# Altium PCB PCB_v2.PcbDoc (part 6 of 8)
Units mil, origin at the board's own origin, x right, y up, seen from the top; angles counter-clockwise.
Board outline 17000 x 5250 mil, 4 copper layers (Top Side, Ground Layer, Power Layer, Bottom Side), stack 33.2 mil thick; 671 components, 580 nets, 2819 pads, 990 vias.
Unrouted connection lines stored in the file: 104.
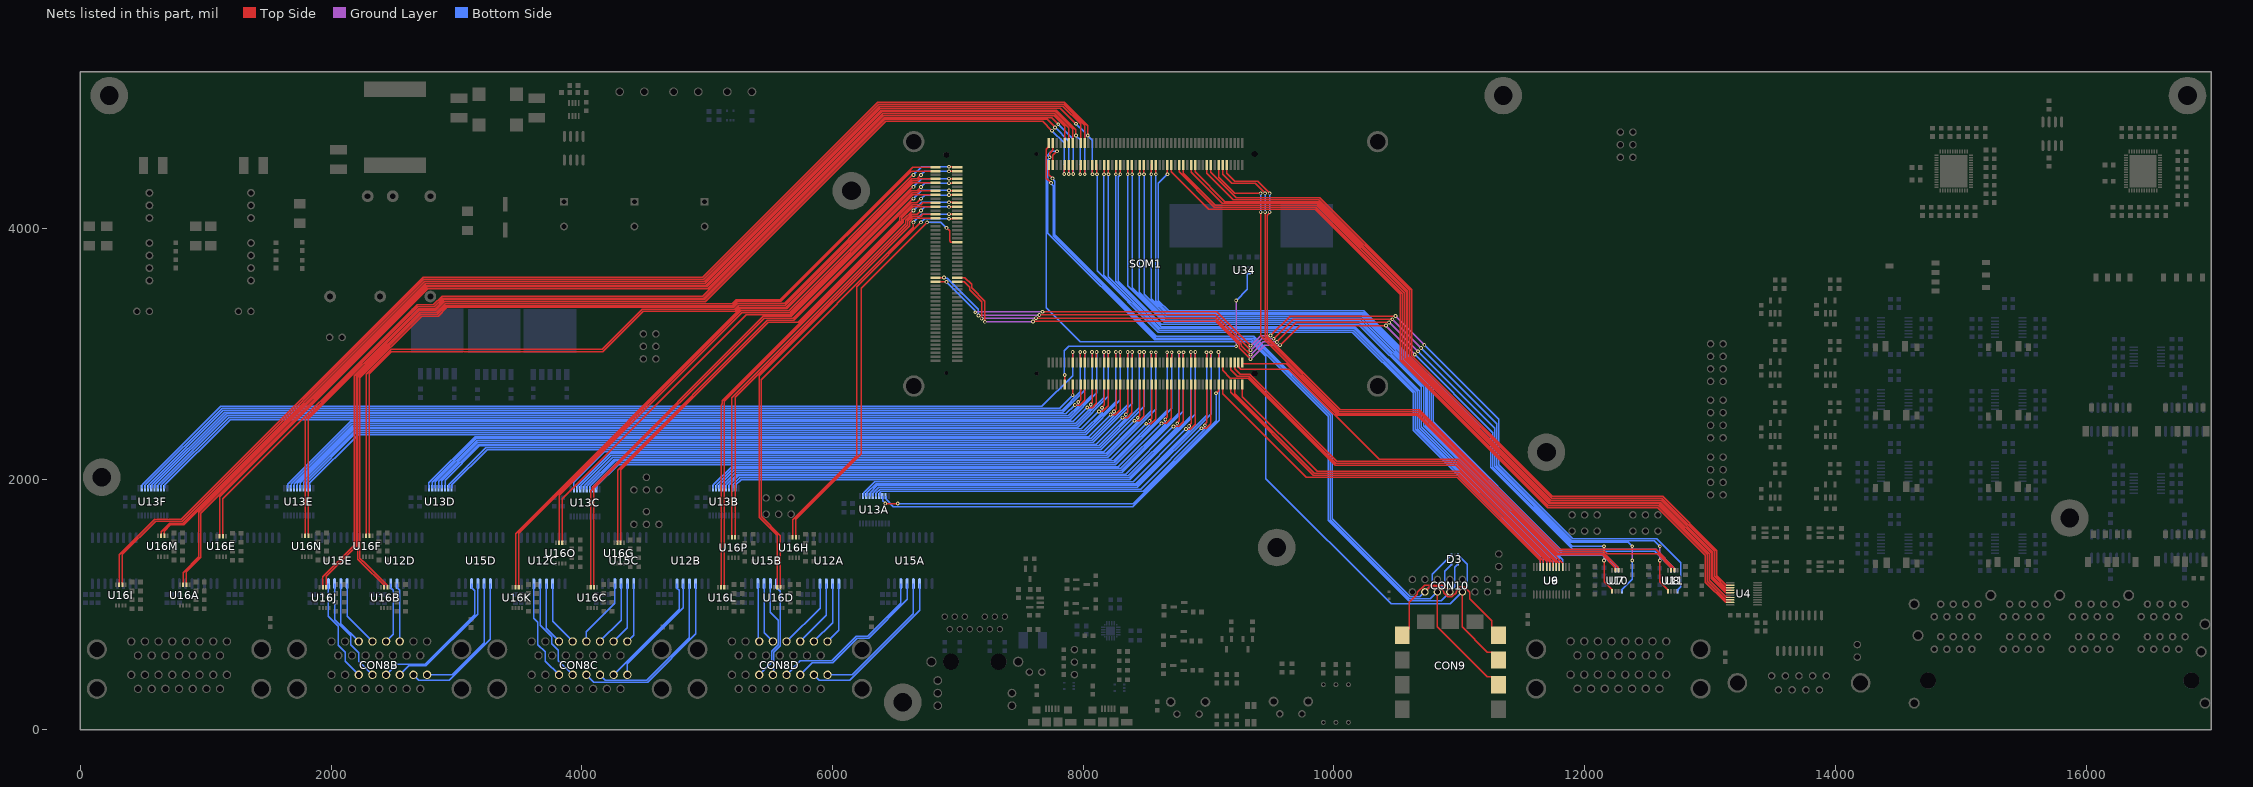
[diagram p8: the nets of this part, all layers, seen from the top]

## Via types
v1: diameter 30, hole 15, Top Side to Bottom Side, 922 vias
v2: diameter 25, hole 15, Top Side to Bottom Side, 30 vias
v3: diameter 60, hole 30, Top Side to Bottom Side, 29 vias
v4: diameter 50, hole 28, Top Side to Bottom Side, 7 vias
v5: diameter 40, hole 20, Top Side to Bottom Side, 2 vias

## Nets (pads, with @x,y where several pads share a name; then routed paths per layer and width w, separated by ;. In a path a pad name is that pad's centre, name@x,y a point inside that pad or via, vN(x,y) a via of type N, cw(c..) or ccw(c..) an arc to the next point about the centre after c; other vN are vias at no path point) (continued)
INV3_PWM3: CON8B.3A U12D.13 | length 469.3
  Bottom Side w10: U12D.13@2525.38,1165.16 2525.38,1133.66 2547.33,1111.71 CON8B.3A@2547.33,705
INV3_PWM4: CON8B.4A U12D.14 | length 491.8
  Bottom Side w10: CON8B.4A@2438.33,705 2495,761.67 2495,1114.04 2475.38,1133.66 U12D.14@2475.38,1165.16
INV3_PWM5: CON8B.5A U15E.11 | length 545.2
  Bottom Side w10: U15E.11@2127.7,1166.69 2127.7,906.63 CON8B.5A@2329.33,705
INV3_PWM6: CON8B.6A U15E.12 | length 520.8
  Bottom Side w10: U15E.12@2077.7,1166.69 2077.7,847.63 CON8B.6A@2220.33,705
INV4_PWM1: CON8B.1B U15D.12 | length 1032.6
  Bottom Side w10: CON8B.1B@2765.33,439 2964.11,439 3220.38,695.27 U15D.12@3220.38,1166.69
INV4_PWM2: CON8B.2B U15D.11 | length 1210.8
  Bottom Side w10: CON8B.2B@2656.33,439 2699.83,395.5 2941.83,395.5 3270.38,724.05 U15D.11@3270.38,1166.69
INV4_PWM3: CON8B.3B U15D.13 | length 1066.7
  Bottom Side w10: CON8B.3B@2547.33,439 2618.33,510 2756.57,510 3170.38,923.81 U15D.13@3170.38,1166.69
INV4_PWM4: CON8B.4B U15D.14 | length 1163
  Bottom Side w10: CON8B.4B@2438.33,439 2524.33,525 2750.36,525 3145,919.64 3145,1110.57 3120.38,1135.2 U15D.14@3120.38,1166.69
INV4_PWM5: CON8B.5B U15E.13 | length 852.6
  Bottom Side w10: U15E.13@2027.7,1166.69 2027.7,876.42 2154.83,749.29 2154.83,680.17 2220,615 2220,548.33 CON8B.5B@2329.33,439
INV4_PWM6: CON8B.6B U15E.14 | length 828.2
  Bottom Side w10: U15E.14@1977.7,1166.69 1977.7,905.21 2056.83,826.07 2056.83,673.17 2111.33,618.67 2111.33,548 CON8B.6B@2220.33,439
INV5_PWM1: CON8C.1A U15C.11 | length 482.9
  Bottom Side w10: CON8C.1A@4362.67,705 4413.84,756.18 U15C.11@4413.84,1166.69
INV5_PWM2: CON8C.2A U15C.12 | length 507.3
  Bottom Side w10: CON8C.2A@4253.67,705 4363.84,815.18 U15C.12@4363.84,1166.69
INV5_PWM3: CON8C.3A U15C.13 | length 531.8
  Bottom Side w10: CON8C.3A@4144.67,705 4313.84,874.18 U15C.13@4313.84,1166.69
INV5_PWM4: CON8C.4A U15C.14 | length 556.2
  Bottom Side w10: CON8C.4A@4035.67,705 4035.67,783.12 4263.84,1011.29 U15C.14@4263.84,1166.69
INV5_PWM5: CON8C.5A U12C.11 | length 526.3
  Bottom Side w10: U12C.11@3766.91,1165.16 3766.91,864.75 CON8C.5A@3926.67,705
INV5_PWM6: CON8C.6A U12C.12 | length 504.2
  Bottom Side w10: U12C.12@3716.91,1165.16 3716.91,1129.98 3714.09,1127.16 3714.09,808.57 CON8C.6A@3817.67,705
INV6_PWM1: CON8C.1B U12B.13 | length 910.8
  Bottom Side w10: CON8C.1B@4362.67,439 4362.67,526.79 4808.45,972.57 U12B.13@4808.45,1165.16
INV6_PWM2: CON8C.2B U12B.14 | length 949.9
  Bottom Side w10: CON8C.2B@4253.67,439 4776.17,961.5 4776.17,1113.46 4758.45,1131.18 U12B.14@4758.45,1165.16
INV6_PWM3: CON8C.3B U12B.12 | length 1302
  Bottom Side w10: CON8C.3B@4144.67,439 4188.17,395.5 4517.95,395.5 4858.45,736 U12B.12@4858.45,1165.16
INV6_PWM4: CON8C.4B U12B.11 | length 1456.6
  Bottom Side w10: CON8C.4B@4035.67,439 4094.17,380.5 4524.16,380.5 4908.45,764.79 U12B.11@4908.45,1165.16
INV6_PWM5: CON8C.5B U12C.13 | length 833.8
  Bottom Side w10: U12C.13@3666.91,1165.16 3666.91,834.54 3760,741.45 3760,686.67 3813,633.67 3813,552.67 CON8C.5B@3926.67,439
INV6_PWM6: CON8C.6B U12C.14 | length 810.5
  Bottom Side w10: U12C.14@3616.91,1165.16 3615.53,1163.78 3615.53,891.96 3650,857.5 3650,680 3708.67,621.33 3708.67,548 CON8C.6B@3817.67,439
INV7_PWM1: CON8D.1A U12A.11 | length 497.4
  Bottom Side w10: CON8D.1A@5960,705 6049.98,794.98 U12A.11@6049.98,1165.16
INV7_PWM2: CON8D.2A U12A.12 | length 521.9
  Bottom Side w10: CON8D.2A@5851,705 5999.98,853.98 U12A.12@5999.98,1165.16
INV7_PWM3: CON8D.3A U12A.13 | length 546.3
  Bottom Side w10: CON8D.3A@5742,705 5949.98,912.98 U12A.13@5949.98,1165.16
INV7_PWM4: CON8D.4A U12A.14 | length 570.7
  Bottom Side w10: CON8D.4A@5633,705 5899.98,971.98 U12A.14@5899.98,1165.16
INV7_PWM5: CON8D.5A U15B.13 | length 490.9
  Bottom Side w10: U15B.13@5453.45,1166.69 5453.45,775.55 CON8D.5A@5524,705
INV7_PWM6: CON8D.6A U15B.14 | length 466.5
  Bottom Side w10: U15B.14@5403.45,1166.69 5406.06,1164.09 5406.06,713.94 CON8D.6A@5415,705
INV8_PWM1: CON8D.1B U15A.12 | length 1127.9
  Bottom Side w10: CON8D.1B@5960,439 6158.78,439 6644.98,925.2 U15A.12@6644.98,1166.69
INV8_PWM2: CON8D.2B U15A.11 | length 1306
  Bottom Side w10: CON8D.2B@5851,439 5894.5,395.5 6136.49,395.5 6694.98,953.99 U15A.11@6694.98,1166.69
INV8_PWM3: CON8D.3B U15A.13 | length 1228.6
  Bottom Side w10: CON8D.3B@5742,439 5837.5,534.5 5999.72,534.5 6197.22,732 6286.91,732 6594.98,1040.08 U15A.13@6594.98,1166.69
INV8_PWM4: CON8D.4B U15A.14 | length 1304.4
  Bottom Side w10: CON8D.4B@5633,439 5743.5,549.5 5993.51,549.5 6191.01,747 6280.69,747 6544.98,1011.29 U15A.14@6544.98,1166.69
INV8_PWM5: CON8D.5B U15B.11 | length 764
  Bottom Side w10: CON8D.5B@5524,439 5530,445 5530,617.72 5582.5,670.22 5582.5,1106.15 5553.45,1135.2 U15B.11@5553.45,1166.69
INV8_PWM6: CON8D.6B U15B.12 | length 817.4
  Bottom Side w10: CON8D.6B@5415,439 5515,539 5515,627.15 5567.5,679.65 5567.5,873.03 5503.45,937.08 U15B.12@5503.45,1166.69
JTAG_TCK: CON9.2 CON10.6 D3.5 SOM1.JX1-1 | length 6775.5
  Top Side w10: SOM1.JX1-1@7726.65,4680 7726.65,4650 7706.65,4630 7706.65,4400.35 v1(7743,4364) ; CON10.6@10825,1100 10825,823.73 11224.83,423.9 11258.66,423.9 11312.72,369.84 CON9.2@11312.72,360
  Bottom Side w10: v1(7743,4364) 7743,4358.59 7759.65,4341.94 7759.65,3942.81 8576.83,3125.63 9354.91,3125.63 9969.78,2510.76 9969.78,1677.44 10602.22,1045 10770,1045 10885,1160 10885,1267.04 10938.59,1320.63 D3.5@10938.59,1322.6
JTAG_TDI: CON9.3 CON10.10 D3.3 SOM1.JX1-4 | length 7372.2
  Top Side w10: SOM1.JX1-4@7758.15,4506.77 7758.15,4583.15 v1(7790,4615) ; CON10.10@11025,1100 11025,820.58 11224.83,620.75 11258.66,620.75 11312.72,566.69 CON9.3@11312.72,556.85
  Bottom Side w10: v1(7790,4615) 7744.02,4615 7703,4573.98 7703,3365.95 7974.32,3094.63 9340.73,3094.63 9456.43,2978.93 9456.43,2003.52 10455.95,1004 10929,1004 11065,1140 11065,1320.2 10989.77,1395.43 D3.3@10989.77,1397.4
JTAG_TDO: CON9.8 CON10.8 D3.4 SOM1.JX1-3 | length 6619.9
  Top Side w10: v1(7732.15,4567.77) 7732.15,4598.59 7758.15,4624.59 SOM1.JX1-3@7758.15,4680 ; CON9.8@10545,753.7 10599.06,807.76 10599.06,1017.49 10665,1083.43 10665,1096.57 10723.43,1155 10870,1155 CON10.8@10925,1100
  Bottom Side w10: v1(7732.15,4567.77) 7732.15,4562.36 7718,4548.21 7718,3963.25 8570.62,3110.63 9345.94,3110.63 9954.78,2501.79 9954.78,1671.23 10596.01,1030 10855,1030 10965,1140 10965,1295.86 10989.77,1320.63 D3.4@10989.77,1322.6
JTAG_TMS: CON9.4 CON10.4 D3.1 SOM1.JX1-2 | length 6528.7
  Top Side w10: SOM1.JX1-2@7726.65,4506.77 7726.65,4428.35 v1(7755,4400) ; CON10.4@10725,1100 10765,1140 10841.57,1140 10875,1106.57 10875,1093.43 10908.43,1060 10941.57,1060 10975,1093.43 10975,1106.57 11008.43,1140 11041.57,1140 11085,1096.57 11085,1044.77 11258.66,871.11 11258.66,807.76 CON9.4@11312.72,753.7
  Bottom Side w10: v1(7755,4400) 7755,4396.86 7774.65,4377.22 7774.65,3949.03 8583.04,3140.63 9361.12,3140.63 9984.78,2516.97 9984.78,1683.65 10608.43,1060 10685,1060 10785,1160 10785,1241.84 10938.59,1395.43 D3.1@10938.59,1397.4
LV_ALARMA: SOM1.JX1-64 U4.19 | length 6368.9
  Top Side w10: SOM1.JX1-64@8703.03,4506.77 8703.03,4453.24 9001.27,4155 9849.39,4155 10530,3474.39 10530,2947.37 11705.37,1772 12584.57,1772 12963.7,1392.87 12963.7,1178.98 13125.99,1016.68 13160.4,1016.68 U4.19@13160.75,1016.34
LV_ALARMB: SOM1.JX1-70 U4.17 | length 6265.6
  Top Side w10: SOM1.JX1-70@8797.52,4506.77 8797.52,4440.33 9052.85,4185 9861.82,4185 10560,3486.82 10560,2959.79 11717.79,1802 12597,1802 12993.7,1405.29 12993.7,1191.4 13129.05,1056.06 13160.4,1056.06 U4.17@13160.75,1055.71
LV_ALARMD: SOM1.JX1-84 U4.12 | length 5992.2
  Top Side w10: SOM1.JX1-84@9017.99,4506.77 9017.99,4447.53 9220.51,4245 9886.67,4245 10620,3511.67 10620,2984.64 11742.64,1862 12621.85,1862 13053.7,1430.15 13053.7,1229.83 13129.05,1154.48 13160.4,1154.48 U4.12@13160.75,1154.13
LV_ALARMZ: SOM1.JX1-76 U4.14 | length 6131.5
  Top Side w10: SOM1.JX1-76@8892.01,4506.77 8892.87,4505.9 8892.87,4451.77 9129.64,4215 9874.24,4215 10590,3499.24 10590,2972.22 11730.22,1832 12609.42,1832 13023.7,1417.72 13023.7,1217.4 13125.99,1115.11 13160.4,1115.11 U4.14@13160.75,1114.76
LV_ENC_A: SOM1.JX1-68 U4.18 | length 6299.3
  Top Side w10: SOM1.JX1-68@8766.02,4506.77 8766.02,4450.61 9046.64,4170 9855.6,4170 10545,3480.6 10545,2953.58 11711.58,1787 12590.78,1787 12978.7,1399.08 12978.7,1185.19 13127.52,1036.37 13160.4,1036.37 U4.18@13160.75,1036.02
LV_ENC_B: SOM1.JX1-74 U4.15 | length 6174.2
  Top Side w10: SOM1.JX1-74@8860.51,4506.77 8860.51,4447.42 9107.92,4200 9868.03,4200 10575,3493.03 10575,2966.01 11724.01,1817 12603.21,1817 13008.7,1411.51 13008.7,1211.19 13124.47,1095.43 13160.4,1095.43 U4.15@13160.75,1095.08
LV_ENC_Z: SOM1.JX1-82 U4.13 | length 6035.1
  Top Side w10: SOM1.JX1-82@8986.49,4506.77 8986.49,4442.09 9198.58,4230 9880.45,4230 10605,3505.45 10605,2978.43 11736.43,1847 12615.63,1847 13038.7,1423.93 13038.7,1223.62 13127.52,1134.8 13160.4,1134.8 U4.13@13160.75,1134.45
LV_FLT_DESAT1: SOM1.JX1-13 U16A.2 | length 9070.4
  Top Side w10: U16A.2@844.41,1157.87 844.41,1259.39 960,1374.98 960,1728.33 2765.48,3533.81 4997.15,3533.81 6393.23,4929.89 7779.72,4929.89 7915.63,4793.98 SOM1.JX1-13@7915.63,4680
LV_FLT_DESAT2: SOM1.JX1-18 U16A.3 | length 9466.4
  Top Side w10: U16A.3@818.82,1157.87 818.82,1255.01 945,1381.19 945,1734.55 2759.27,3548.81 4990.94,3548.81 6387.01,4944.89 7785.93,4944.89 7941.63,4789.19 v1(7941.63,4741) ; v1(7976.37,4432.37) 7977.5,4433.5 7977.5,4505.65 SOM1.JX1-18@7978.62,4506.77
  Bottom Side w10: v1(7941.63,4741) 7976.37,4706.26 v1(7976.37,4432.37)
LV_FLT_DESAT3: SOM1.JX3-100 U16B.2 | length 7229.2
  Top Side w10: U16B.2@2448.65,1137.87 2448.65,1152.19 2255.41,1345.42 2250,1345.42 2228.23,1367.2 2228.23,2807.22 2722.38,3301.37 2853.58,3301.37 2922.22,3370 5211.72,3370 5244.72,3403 5616.94,3403 6640.49,4426.54 v1(6645,4426.54) ; v1(6930,4491.79) 6931.13,4490.66 6993.8,4490.66 SOM1.JX3-100@6994.92,4489.54
  Bottom Side w10: v1(6645,4426.54) 6710.24,4491.79 v1(6930,4491.79)
LV_FLT_DESAT4: SOM1.JX3-97 U16B.3 | length 7052.8
  Top Side w10: U16B.3@2423.06,1137.87 2423.06,1152.19 2245.25,1330 2244.21,1330 2213.23,1360.98 2213.23,2813.43 2716.16,3316.37 2847.37,3316.37 2916,3385 5205.5,3385 5238.5,3418 5588,3418 6628.04,4458.04 SOM1.JX3-97@6821.69,4458.04
LV_FLT_DESAT5: SOM1.JX3-88 U16C.2 | length 4671.6
  Top Side w10: U16C.2@4096.56,1137.87 4096.56,1925.47 5454.09,3283 5684.51,3283 6622.08,4220.58 6622.6,4220.58 6639.59,4237.57 v1(6645,4237.57) ; v1(6930,4302.81) 6931.13,4301.69 6993.8,4301.69 SOM1.JX3-88@6994.92,4300.56
  Bottom Side w10: v1(6645,4237.57) 6710.24,4302.81 v1(6930,4302.81)
LV_FLT_DESAT6: SOM1.JX3-85 U16C.3 | length 4506.5
  Top Side w10: U16C.3@4070.97,1137.87 4070.97,1906.07 4081.56,1916.66 4081.56,1931.69 5447.87,3298 5670.08,3298 6641.14,4269.07 SOM1.JX3-85@6821.69,4269.07
LV_FLT_DESAT7: SOM1.JX3-76 U16D.2 | length 3856
  Top Side w10: U16D.2@5584.41,1137.87 5584.41,1549.02 5429.83,1703.6 5429.83,2794.63 6645,4009.81 v1(6645,4048.59) ; v1(6930,4113.84) 6931.13,4112.71 6993.8,4112.71 SOM1.JX3-76@6994.92,4111.58
  Bottom Side w10: v1(6645,4048.59) 6710.24,4113.84 v1(6930,4113.84)
LV_FLT_DESAT8: SOM1.JX3-73 U16D.3 | length 3690.4
  Top Side w10: U16D.3@5558.82,1137.87 5558.82,1553.4 5414.83,1697.39 5414.83,2823.15 6615,4023.32 6615,4053.95 6641.14,4080.09 SOM1.JX3-73@6821.69,4080.09
LV_FLT_TEMP1: SOM1.JX1-20 U16M.2 | length 9267
  Top Side w10: U16M.2@669.41,1547.87 669.41,1586.27 718.14,1635 824.24,1635 2753.05,3563.81 4984.73,3563.81 6380.8,4959.89 7816.74,4959.89 v1(7941.63,4835) ; SOM1.JX1-20@8010.12,4506.77 8011.24,4505.65 8011.24,4433.5 v1(8012.37,4432.37)
  Bottom Side w10: v1(7941.63,4835) 8011.12,4765.51 8011.12,4433.62 v1(8012.37,4432.37)
LV_FLT_TEMP2: SOM1.JX1-17 U16M.3 | length 8986.2
  Top Side w10: U16M.3@643.82,1547.87 643.82,1581.89 711.93,1650 818.03,1650 2746.84,3578.81 4978.51,3578.81 6374.59,4974.89 7837.1,4974.89 7978.62,4833.36 SOM1.JX1-17@7978.62,4680
LV_FLT_TEMP3: SOM1.JX1-12 U16N.2 | length 8405
  Top Side w10: U16N.2@1818.29,1547.87 1818.29,2482.13 2697.52,3361.37 2828.73,3361.37 2897.36,3430 4978.19,3430 6418.08,4869.89 7711.03,4869.89 v1(7775.46,4805.46) v1@7782.96,4797.96 ; v1(7884.13,4435) SOM1.JX1-12@7884.13,4506.77
  Bottom Side w10: v1(7775.46,4805.46) 7884.13,4696.78 v1(7884.13,4435)
LV_FLT_TEMP4: SOM1.JX1-14 U16N.3 | length 8476.4
  Top Side w10: U16N.3@1792.7,1547.87 1792.7,2477.76 2691.31,3376.37 2822.52,3376.37 2891.15,3445 4971.98,3445 6411.87,4884.89 7746.94,4884.89 v1(7800.91,4830.91) ; SOM1.JX1-14@7915.63,4506.77 7917.88,4504.52 7917.88,4437.25 v1(7920.13,4435)
  Bottom Side w10: v1(7800.91,4830.91) 7920.13,4711.69 v1(7920.13,4435)
LV_FLT_TEMP5: SOM1.JX3-87 U16O.2 | length 4346.6
  Top Side w10: U16O.2@3843.43,1492.87 3843.43,1843.42 5313,3313 5663.86,3313 6635.93,4285.07 6681.28,4285.07 6696.78,4300.56 SOM1.JX3-87@6821.69,4300.56
LV_FLT_TEMP6: SOM1.JX3-92 U16O.3 | length 4587.1
  Top Side w10: U16O.3@3817.83,1492.87 3817.83,1870.05 5275.78,3328 5657.65,3328 6629.72,4300.07 6675.07,4300.07 v1(6705,4330) ; v1(6930,4361.3) 6931.13,4362.43 6993.8,4362.43 SOM1.JX3-92@6994.92,4363.55
  Bottom Side w10: v1(6705,4330) 6736.3,4361.3 v1(6930,4361.3)
LV_FLT_TEMP7: SOM1.JX3-75 U16P.2 | length 3336.3
  Top Side w10: U16P.2@5222.59,1537.43 5222.59,2652.12 6600,4029.53 6600,4060.16 6636.93,4097.09 6707.06,4097.09 6721.56,4111.59 SOM1.JX3-75@6821.69,4111.59
LV_FLT_TEMP8: SOM1.JX3-80 U16P.3 | length 3558.6
  Top Side w10: U16P.3@5197,1537.43 5197,2647.75 6585,4035.75 6585,4066.38 6630.71,4112.09 6674.01,4112.09 v1(6705,4143.08) ; v1(6930,4172.32) 6931.13,4173.45 6993.8,4173.45 SOM1.JX3-80@6994.92,4174.58
  Bottom Side w10: v1(6705,4143.08) 6734.24,4172.32 v1(6930,4172.32)
LV_GPIO_A1: SOM1.JX1-92 U8.2 | length 5659.1
  Top Side w10: SOM1.JX1-92@9143.97,4506.77 9143.97,4438.82 9207.8,4375 9392.3,4375 v1(9487.3,4280) ; v1(9487.3,4130) 9487.3,4124.91 9468.63,4106.24 9468.63,3134.72 10050.36,2553 10682.61,2553 11795.61,1440 12566.57,1440 12712.91,1293.66 12712.91,1276.15 U8.2@12716.18,1272.88
  Bottom Side w10: v1(9487.3,4130) v1(9487.3,4280)
LV_GPIO_A2: SOM1.JX1-90 U8.3 | length 5648.3
  Top Side w10: SOM1.JX1-90@9112.48,4506.77 9112.48,4430.55 9183.02,4360 9371.3,4360 v1(9451.3,4280) ; v1(9451.3,4130) 9451.3,3130.84 10044.14,2538 10676.4,2538 11789.4,1425 12157.78,1425 12179.76,1403.02 12582.33,1403.02 12687.32,1298.03 12687.32,1276.15 U8.3@12690.59,1272.88
  Bottom Side w10: v1(9451.3,4130) v1(9451.3,4280)
LV_GPIO_A3: SOM1.JX1-88 U7.2 | length 5261.6
  Top Side w10: SOM1.JX1-88@9080.98,4506.77 9080.98,4408.77 9209.75,4280 v1(9415.3,4280) ; v1(9415.3,4130) 9415.3,3145.63 10037.93,2523 10670.18,2523 11783.18,1410 12151.57,1410 12267.13,1294.44 12267.13,1276.15 U7.2@12270.39,1272.88
  Bottom Side w10: v1(9415.3,4130) v1(9415.3,4280)
LV_GPIO_A4: SOM1.JX2-99 U7.3 | length 3680.4
  Top Side w10: SOM1.JX2-99@9269.96,2930 9269.96,2920 9619.72,2920 10031.72,2508 10663.97,2508 11776.97,1395 12145.36,1395 12241.54,1298.82 12241.54,1276.15 U7.3@12244.8,1272.88
LV_GPIO_A5: SOM1.JX2-97 U6.3 | length 3296
  Top Side w10: SOM1.JX2-97@9238.46,2930 9238.46,2896.49 9257.58,2877.38 9641.12,2877.38 10361.42,2157.09 10993.67,2157.09 11823.66,1327.09 11823.66,1301.14 U6.3@11824.57,1300.24
LV_GPIO_A6: SOM1.JX2-95 U6.4 | length 3312.3
  Top Side w10: SOM1.JX2-95@9206.97,2930 9206.97,2881.26 9251.46,2836.77 9326.84,2836.77 10021.53,2142.09 10985.55,2142.09 11798.07,1329.56 11798.07,1301.14 U6.4@11798.98,1300.24
LV_GPIO_A7: SOM1.JX2-93 U6.5 | length 3324.7
  Top Side w10: SOM1.JX2-93@9175.47,2930 9175.47,2874.53 9228.23,2821.77 9320.63,2821.77 10015.31,2127.09 10979.33,2127.09 11772.48,1333.94 11772.48,1301.14 U6.5@11773.39,1300.24
LV_GPIO_A8: SOM1.JX2-89 U6.6 | length 3368.8
  Top Side w10: SOM1.JX2-89@9112.48,2930 9112.48,2867.52 9173.23,2806.77 9314.42,2806.77 10009.1,2112.09 10973.12,2112.09 11746.89,1338.32 11746.89,1301.14 U6.6@11747.8,1300.24
LV_GPIO_A9: SOM1.JX2-90 U6.10 | length 3212.6
  Top Side w10: SOM1.JX2-90@9112.48,2756.77 9112.48,2681.14 9777.63,2015.98 10984.37,2015.98 11645.43,1354.92 U6.10@11645.43,1300.24
LV_GPIO_A10: SOM1.JX2-94 U6.9 | length 3166.6
  Top Side w10: SOM1.JX2-94@9175.47,2756.77 9175.47,2691.42 9835.91,2030.98 10990.58,2030.98 11671.02,1350.54 U6.9@11671.02,1300.24
LV_GPIO_A11: SOM1.JX2-96 U6.8 | length 3164.2
  Top Side w10: SOM1.JX2-96@9206.97,2756.77 9206.97,2681.14 9842.12,2045.98 10996.8,2045.98 11696.05,1346.73 11696.05,1300.8 U6.8@11696.61,1300.24
LV_GPIO_A12: SOM1.JX2-100 U6.7 | length 3138.3
  Top Side w10: SOM1.JX2-100@9269.96,2756.77 9269.96,2657.16 9866.14,2060.98 11003.01,2060.98 11721.3,1342.7 11721.3,1301.14 U6.7@11722.2,1300.24
LV_GPIO_B1: SOM1.JX1-62 U11.3 | length 6269.7
  Top Side w10: v1(8671.54,4432.37) SOM1.JX1-62@8671.53,4506.77
  Bottom Side w10: v1(8671.54,4432.37) 8600,4360.84 8600,3424.64 8680.64,3344 10239,3344 11250,2333 11250,2093.58 11903.58,1440 12566.57,1440 12712.91,1293.66 12712.91,1276.14 U11.3@12716.18,1272.87
LV_GPIO_B2: SOM1.JX1-56 U11.2 | length 6283.2
  Top Side w10: SOM1.JX1-56@8577.05,4506.77 8578.17,4505.65 8578.17,4433.5 v1(8579.3,4432.37)
  Bottom Side w10: v1(8579.3,4432.37) 8579.3,3424.13 8674.43,3329 10232.79,3329 10791,2770.79 10791,2456 11823,1424 12561.36,1424 12687.32,1298.03 12687.32,1276.14 U11.2@12690.59,1272.87
LV_GPIO_B3: SOM1.JX1-54 U10.3 | length 5888.5
  Top Side w10: v1(8543.3,4432.37) 8544.42,4433.5 8544.42,4505.65 SOM1.JX1-54@8545.55,4506.77
  Bottom Side w10: v1(8543.3,4432.37) 8543.3,3438.92 8668.22,3314 10226.58,3314 10776,2764.58 10776,2449.78 11816.78,1409 12152.57,1409 12267.91,1293.66 12267.91,1276.14 U10.3@12271.18,1272.87
LV_GPIO_B4: SOM1.JX1-50 U10.2 | length 5902.2
  Top Side w10: SOM1.JX1-50@8482.56,4506.77 8483.68,4505.65 8483.68,4433.5 v1(8484.81,4432.37)
  Bottom Side w10: v1(8484.81,4432.37) 8484.81,3476.2 8662.01,3299 10220.36,3299 10761,2758.36 10761,2443.57 11810.57,1394 12146.36,1394 12242.32,1298.03 12242.32,1276.14 U10.2@12245.59,1272.87
LV_GPIO_B5: SOM1.JX1-48 U9.10 | length 5518.6
  Top Side w10: v1(8448.81,4432.37) 8449.94,4433.5 8449.94,4505.65 SOM1.JX1-48@8451.06,4506.77
  Bottom Side w10: v1(8448.81,4432.37) 8448.81,3490.98 8655.79,3284 10214.15,3284 10746,2752.15 10746,2437.36 11824.57,1358.79 U9.10@11824.57,1300.24
LV_GPIO_B6: SOM1.JX1-44 U9.9 | length 5532.2
  Top Side w10: SOM1.JX1-44@8388.07,4506.77 8389.2,4505.65 8389.2,4433.5 v1(8390.32,4432.37)
  Bottom Side w10: v1(8390.32,4432.37) 8390.32,3528.26 8649.58,3269 10207.94,3269 10731,2745.94 10731,2431.14 11798.98,1363.17 U9.9@11798.98,1300.24
LV_GPIO_B7: SOM1.JX1-42 U9.8 | length 5534.9
  Top Side w10: v1(8354.32,4432.37) 8355.45,4433.5 8355.45,4505.65 SOM1.JX1-42@8356.57,4506.77
  Bottom Side w10: v1(8354.32,4432.37) 8354.32,3543.04 8645.37,3252 10200.89,3252 10716,2736.89 10716,2424.93 11773.39,1367.54 U9.8@11773.39,1300.24
LV_GPIO_B8: SOM1.JX1-38 U9.7 | length 5571.4
  Top Side w10: SOM1.JX1-38@8293.58,4506.77 8294.71,4505.65 8294.71,4433.5 v1(8295.83,4432.37)
  Bottom Side w10: v1(8295.83,4432.37) 8295.83,4426.96 8280,4411.13 8280,3579.44 8622.44,3237 10194.68,3237 10695,2736.68 10695,2416.23 11747.8,1363.44 U9.7@11747.8,1300.24
LV_GPIO_B9: SOM1.JX1-26 U9.3 | length 5580.3
  Top Side w10: SOM1.JX1-26@8104.61,4506.77 8107.3,4504.07 8107.3,4435.07 v1(8110,4432.37)
  Bottom Side w10: v1(8110,4432.37) 8110,3661.76 8599.14,3172.61 10147.68,3172.61 10633,2687.3 10633,2390.55 11645.43,1378.12 U9.3@11645.43,1300.24
LV_GPIO_B10: SOM1.JX1-30 U9.4 | length 5566.7
  Top Side w10: v1(8165.35,4432.37) 8166.47,4433.5 8166.47,4505.65 SOM1.JX1-30@8167.6,4506.77
  Bottom Side w10: v1(8165.35,4432.37) 8165.35,3627.62 8605.36,3187.61 10153.9,3187.61 10648,2693.51 10648,2396.76 11671.02,1373.74 U9.4@11671.02,1300.24
LV_GPIO_B11: SOM1.JX1-32 U9.5 | length 5562.4
  Top Side w10: SOM1.JX1-32@8199.09,4506.77 8200.22,4505.65 8200.22,4433.5 v1(8201.35,4432.37)
  Bottom Side w10: v1(8201.35,4432.37) 8201.35,3612.84 8611.57,3202.61 10160.11,3202.61 10663,2699.72 10663,2402.98 11696.61,1369.36 U9.5@11696.61,1300.24
LV_GPIO_B12: SOM1.JX1-36 U9.6 | length 5547.1
  Top Side w10: v1(8259.83,4432.37) 8260.96,4433.5 8260.96,4505.65 SOM1.JX1-36@8262.09,4506.77
  Bottom Side w10: v1(8259.83,4432.37) 8259.83,3578.39 8620.61,3217.61 10166.32,3217.61 10680,2703.94 10680,2410.02 11722.2,1367.81 U9.6@11722.2,1300.24
LV_GPIO_DIR1: SOM1.JX3-43 U8.5 | length 7482.5
  Top Side w10: SOM1.JX3-43@6821.69,3607.65 6821.94,3607.9 6889.75,3607.9 v1(6890,3608.15) ; v1(7649.54,3309.54) 9054.46,3309.54 v1(9335,3029) ; v1(9519.09,3119.62) 9675.38,3275.91 v1(10465.91,3275.91) ; v1(12600,1350) 12600,1181.35 12665,1116.35 U8.5@12665,1107.12
  Ground Layer w10: v1(7164.09,3305.91) 7167.27,3309.09 7649.09,3309.09 v1(7649.54,3309.54) ; v1(9335,3029) 9425.62,3119.62 v1(9519.09,3119.62) ; v1(10465.91,3275.91) v1(10695.91,3045.91) ; v1(12600,1350) v1(12600,1465)
  Bottom Side w10: v1(6890,3608.15) 6893.83,3604.32 6913.25,3604.32 7164.09,3353.48 v1(7164.09,3305.91) ; v1(10695.91,3045.91) 11298.48,2443.34 11298.48,2108.74 11897.22,1510 12555,1510 v1(12600,1465)
LV_GPIO_DIR2: SOM1.JX3-44 U7.5 | length 6945.2
  Top Side w10: SOM1.JX3-44@6994.92,3607.65 7055.54,3607.65 7110,3553.18 7110,3525.22 7215,3420.22 v1(7215,3255) ; v1(7598.63,3258.63) 9056.72,3258.63 9245,3070.36 9245,3047 v1(9335,2957) ; v1(9570,3068.71) 9726.29,3225 v1(10415,3225) ; v1(12155,1350) 12155,1180.56 12219.21,1116.35 U7.5@12219.21,1107.12
  Ground Layer w10: v1(7215,3255) 7216.82,3256.82 7596.82,3256.82 v1(7598.63,3258.63) ; v1(9335,2957) 9446.71,3068.71 v1(9570,3068.71) ; v1(10415,3225) v1(10645,2995) ; v1(12155,1350) v1(12155,1465)
  Bottom Side w10: v1(10645,2995) 11268.48,2371.52 11268.48,2096.31 11899.79,1465 v1(12155,1465)
LV_GPIO_DIR3: SOM1.JX3-41 U11.5 | length 7530.2
  Top Side w10: SOM1.JX3-41@6821.69,3576.15 6822.82,3575.03 6907.18,3575.03 v1(6908.31,3573.9) ; v1(7675,3335) 9065,3335 v1(9335,3065) ; v1(9493.63,3145.08) 9649.92,3301.37 v1(10491.37,3301.37)
  Ground Layer w10: v1(7138.63,3331.37) 7141.81,3334.54 7674.54,3334.54 v1(7675,3335) ; v1(9335,3065) 9415.08,3145.08 v1(9493.63,3145.08) ; v1(10491.37,3301.37) v1(10721.37,3071.37)
  Bottom Side w10: v1(6908.31,3573.9) 7134.81,3347.4 7134.81,3335.19 v1(7138.63,3331.37) ; v1(10721.37,3071.37) 11314.31,2478.42 11314.31,2114.12 11903.43,1525 12575.36,1525 12766.77,1333.58 12766.77,1141.34 12741.77,1116.34 U11.5@12741.77,1107.11
LV_GPIO_DIR4: SOM1.JX3-42 U10.5 | length 7143.3
  Top Side w10: SOM1.JX3-42@6994.92,3576.15 7049.98,3576.15 7093.72,3532.42 7093.72,3510 7189.54,3414.18 v1(7189.54,3280.46) ; v1(7624.09,3284.09) 9052.48,3284.09 9262.15,3074.41 9262.15,3065.85 v1(9335,2993) ; v1(9544.54,3094.17) 9700.83,3250.46 v1(10440.46,3250.46)
  Ground Layer w10: v1(7189.54,3280.46) 7192.72,3283.63 7623.63,3283.63 v1(7624.09,3284.09) ; v1(9335,2993) 9436.17,3094.17 v1(9544.54,3094.17) ; v1(10440.46,3250.46) v1(10670.46,3020.46) ; v1(12380,1350) v1(12380,1465)
  Bottom Side w10: v1(10670.46,3020.46) 11283.48,2407.43 11283.48,2102.53 11891.01,1495 12350,1495 v1(12380,1465) ; U10.5@12296.77,1107.11 12296.77,1116.34 12380,1199.57 v1(12380,1350)
LV_INV1_PWM1: SOM1.JX2-25 U13F.9 | length 8180.6
  Top Side w10: SOM1.JX2-25@8104.61,2930 8105.73,2931.13 8105.73,3013.87 v1(8106.86,3015)
  Bottom Side w10: U13F.9@667.44,1927.6 671.3,1931.46 671.3,1953.47 1192.93,2475.1 7894.68,2475.1 8106.86,2687.28 v1(8106.86,3015)
LV_INV1_PWM2: SOM1.JX2-23 U13F.8 | length 8178.9
  Top Side w10: v1(8070.86,3015) 8071.98,3013.87 8071.98,2931.13 SOM1.JX2-23@8073.11,2930
  Bottom Side w10: U13F.8@641.85,1927.6 645.71,1931.46 645.71,1953.47 1182.34,2490.1 7888.47,2490.1 8070.86,2672.49 v1(8070.86,3015)
LV_INV1_PWM3: SOM1.JX2-18 U13F.7 | length 7809.7
  Top Side w10: v1(7960,2615) 7978.62,2633.62 SOM1.JX2-18@7978.62,2756.77
  Bottom Side w10: U13F.7@616.26,1927.6 620.12,1931.46 620.12,1953.47 1171.75,2505.1 7882.25,2505.1 7960,2582.85 v1(7960,2615)
LV_INV1_PWM4: SOM1.JX2-20 U13F.6 | length 7851.1
  Top Side w10: v1(7932.94,2591.15) 7934.09,2590 7970.36,2590 8010.12,2629.76 SOM1.JX2-20@8010.12,2756.77
  Bottom Side w10: U13F.6@590.67,1927.6 594.53,1931.46 594.53,1953.47 1161.16,2520.1 7861.9,2520.1 v1(7932.94,2591.15)
LV_INV1_PWM5: SOM1.JX2-19 U13F.5 | length 8175.1
  Top Side w10: SOM1.JX2-19@8010.12,2930 8011.24,2931.13 8011.24,3013.87 v1(8012.37,3015)
  Bottom Side w10: U13F.5@565.08,1927.6 568.94,1931.46 568.94,1953.47 1150.57,2535.1 7837.3,2535.1 8012.37,2710.17 v1(8012.37,3015)
LV_INV1_PWM6: SOM1.JX2-17 U13F.4 | length 8173.4
  Top Side w10: v1(7976.37,3015) 7977.5,3013.87 7977.5,2931.13 SOM1.JX2-17@7978.62,2930
  Bottom Side w10: U13F.4@539.49,1927.6 543.35,1931.46 543.35,1953.47 1139.98,2550.1 7831.09,2550.1 7976.37,2695.39 v1(7976.37,3015)
LV_INV2_PWM1: SOM1.JX2-24 U13E.3 | length 6863.3
  Top Side w10: v1(8060,2595) 8060,2600.41 8073.11,2613.52 SOM1.JX2-24@8073.11,2756.77
  Bottom Side w10: U13E.3@1677.13,1927.6 1680.98,1931.46 1680.98,1963.24 2162.85,2445.1 7941.05,2445.1 8060,2564.06 v1(8060,2595)
LV_INV2_PWM2: SOM1.JX2-26 U13E.2 | length 6903.4
  Top Side w10: v1(8032.34,2571.75) 8034.09,2570 8070.36,2570 8104.61,2604.25 SOM1.JX2-26@8104.61,2756.77
  Bottom Side w10: U13E.2@1651.54,1927.6 1655.39,1931.46 1655.39,1958.86 2156.64,2460.1 7920.69,2460.1 v1(8032.34,2571.75)
LV_INV2_PWM3: SOM1.JX2-29 U13E.4 | length 7233.6
  Top Side w10: v1(8165.35,3015) 8166.47,3013.87 8166.47,2931.13 SOM1.JX2-29@8167.6,2930
  Bottom Side w10: U13E.4@1702.72,1927.6 1706.57,1931.46 1706.57,1965.1 2171.57,2430.1 7947.26,2430.1 8165.35,2648.19 v1(8165.35,3015)
LV_INV2_PWM4: SOM1.JX2-31 U13E.5 | length 7238.7
  Top Side w10: SOM1.JX2-31@8199.09,2930 8200.22,2931.13 8200.22,3013.87 v1(8201.35,3015)
  Bottom Side w10: U13E.5@1728.31,1927.6 1729.89,1929.18 1729.89,1967.2 2177.79,2415.1 7954.89,2415.1 8201.35,2661.56 v1(8201.35,3015)
LV_INV2_PWM5: SOM1.JX2-14 U13F.3 | length 7808.9
  Top Side w10: v1(7915.63,2670) SOM1.JX2-14@7915.63,2756.77
  Bottom Side w10: U13F.3@513.9,1927.6 517.76,1931.46 517.76,1953.47 1129.39,2565.1 7810.73,2565.1 v1(7915.63,2670)
LV_INV2_PWM6: SOM1.JX2-13 U13F.2 | length 8086.6
  Top Side w10: SOM1.JX2-13@7915.63,2930 v1(7915.63,3015)
  Bottom Side w10: U13F.2@488.31,1927.6 492.17,1931.46 492.17,1953.47 1118.79,2580.1 7670.1,2580.1 7915.63,2825.63 v1(7915.63,3015)
LV_INV3_PWM1: SOM1.JX2-43 U13D.5 | length 6340.8
  Top Side w10: SOM1.JX2-43@8388.07,2930 8389.2,2931.13 8389.2,3013.87 v1(8390.32,3015)
  Bottom Side w10: U13D.5@2857.13,1927.6 2857.13,1981.98 3170.25,2295.1 8079.06,2295.1 8390.32,2606.36 v1(8390.32,3015)
LV_INV3_PWM2: SOM1.JX2-41 U13D.4 | length 6335.1
  Top Side w10: v1(8354.32,3015) 8355.45,3013.87 8355.45,2931.13 SOM1.JX2-41@8356.57,2930
  Bottom Side w10: U13D.4@2831.54,1927.6 2831.54,1977.6 3164.04,2310.1 8070.46,2310.1 8354.32,2593.96 v1(8354.32,3015)
LV_INV3_PWM3: SOM1.JX2-36 U13D.3 | length 5964.2
  Top Side w10: v1(8245,2540) 8245,2545.41 8262.09,2562.5 SOM1.JX2-36@8262.09,2756.77
  Bottom Side w10: U13D.3@2805.94,1927.6 2805.94,1974.82 3156.22,2325.1 8064.25,2325.1 8245,2505.85 v1(8245,2540)
LV_INV3_PWM4: SOM1.JX2-38 U13D.2 | length 6001.1
  Top Side w10: v1(8218.94,2515.15) 8219.09,2515 8255.36,2515 8293.58,2553.23 SOM1.JX2-38@8293.58,2756.77
  Bottom Side w10: U13D.2@2780.35,1927.6 2780.35,1970.45 3150.01,2340.1 8043.9,2340.1 v1(8218.94,2515.15)
LV_INV3_PWM5: SOM1.JX2-37 U13E.9 | length 7251.7
  Top Side w10: SOM1.JX2-37@8293.58,2930 8294.71,2931.13 8294.71,3013.87 v1(8295.83,3015)
  Bottom Side w10: U13E.9@1830.67,1927.6 1830.67,1971.29 2214.48,2355.1 8019.3,2355.1 8295.83,2631.64 v1(8295.83,3015)
LV_INV3_PWM6: SOM1.JX2-35 U13E.8 | length 7252.5
  Top Side w10: v1(8259.83,3015) 8260.96,3013.87 8260.96,2931.13 SOM1.JX2-35@8262.09,2930
  Bottom Side w10: U13E.8@1805.08,1927.6 1805.08,1977.09 2198.09,2370.1 8011.67,2370.1 8259.83,2618.27 v1(8259.83,3015)
LV_INV4_PWM1: SOM1.JX2-47 U13D.8 | length 6325.6
  Top Side w10: v1(8448.81,3015) 8449.94,3013.87 8449.94,2931.13 SOM1.JX2-47@8451.06,2930
  Bottom Side w10: U13D.8@2933.9,1927.6 2937.76,1931.46 2937.76,1953.47 3234.39,2250.1 8130.23,2250.1 8448.81,2568.68 v1(8448.81,3015)
LV_INV4_PWM2: SOM1.JX2-49 U13D.9 | length 6328.2
  Top Side w10: SOM1.JX2-49@8482.56,2930 8483.68,2931.13 8483.68,3013.87 v1(8484.81,3015)
  Bottom Side w10: U13D.9@2959.49,1927.6 2963.35,1931.46 2963.35,1953.47 3244.98,2235.1 8137.86,2235.1 8484.81,2582.06 v1(8484.81,3015)
LV_INV4_PWM3: SOM1.JX2-42 U13D.7 | length 5980.5
  Top Side w10: v1(8340,2515) 8340,2520.41 8356.57,2536.99 SOM1.JX2-42@8356.57,2756.77
  Bottom Side w10: U13D.7@2908.31,1927.6 2908.31,1990.73 3182.68,2265.1 8124.02,2265.1 8340,2481.09 v1(8340,2515)
LV_INV4_PWM4: SOM1.JX2-44 U13D.6 | length 6017.6
  Top Side w10: v1(8313.82,2490.26) 8314.09,2490 8350.36,2490 8388.07,2527.71 SOM1.JX2-44@8388.07,2756.77
  Bottom Side w10: U13D.6@2882.72,1927.6 2882.72,1986.36 3176.46,2280.1 8103.66,2280.1 v1(8313.82,2490.26)
LV_INV4_PWM5: SOM1.JX2-30 U13E.7 | length 6881.7
  Top Side w10: v1(8150,2570) 8150,2575.41 8167.6,2593.01 SOM1.JX2-30@8167.6,2756.77
  Bottom Side w10: U13E.7@1779.49,1927.6 1779.49,1974.38 2190.21,2385.1 8005.46,2385.1 8150,2529.64 v1(8150,2570)
LV_INV4_PWM6: SOM1.JX2-32 U13E.6 | length 6914.8
  Top Side w10: v1(8125,2540) 8155.36,2540 8199.09,2583.74 SOM1.JX2-32@8199.09,2756.77
  Bottom Side w10: U13E.6@1753.9,1927.6 1753.9,1970 2184,2400.1 7985.1,2400.1 v1(8125,2540)
LV_INV5_PWM1: SOM1.JX2-63 U13C.9 | length 5400.3
  Top Side w10: SOM1.JX2-63@8703.03,2930 8704.16,2931.13 8704.16,3011.62 v1(8705.28,3012.75)
  Bottom Side w10: U13C.9@4115.67,1920 4119.53,1923.86 4119.53,1945.87 4288.76,2115.1 8254.03,2115.1 8705.28,2566.35 v1(8705.28,3012.75)
LV_INV5_PWM2: SOM1.JX2-61 U13C.8 | length 5398.6
  Top Side w10: v1(8669.28,3012.75) 8670.41,3011.62 8670.41,2931.13 SOM1.JX2-61@8671.54,2930
  Bottom Side w10: U13C.8@4090.08,1920 4093.94,1923.86 4093.94,1945.87 4278.16,2130.1 8247.82,2130.1 8669.28,2551.57 v1(8669.28,3012.75)
LV_INV5_PWM3: SOM1.JX2-54 U13C.7 | length 5020.8
  Top Side w10: v1(8530,2465) 8530,2470.41 8545.55,2485.96 SOM1.JX2-54@8545.55,2756.77
  Bottom Side w10: U13C.7@4064.49,1920 4068.35,1923.86 4068.35,1945.87 4267.57,2145.1 8241.6,2145.1 8530,2433.5 v1(8530,2465)
LV_INV5_PWM4: SOM1.JX2-56 U13C.6 | length 5062.9
  Top Side w10: v1(8502.62,2441.47) 8504.09,2440 8540.36,2440 8577.05,2476.69 SOM1.JX2-56@8577.05,2756.77
  Bottom Side w10: U13C.6@4038.9,1920 4042.76,1923.86 4042.76,1945.87 4256.98,2160.1 8221.25,2160.1 v1(8502.62,2441.47)
LV_INV5_PWM5: SOM1.JX2-55 U13C.5 | length 5380.9
  Top Side w10: SOM1.JX2-55@8577.05,2930 8578.17,2931.13 8578.17,3011.62 v1(8579.3,3012.75)
  Bottom Side w10: U13C.5@4013.31,1920 4017.17,1923.86 4017.17,1945.87 4246.39,2175.1 8195.24,2175.1 8579.3,2559.16 v1(8579.3,3012.75)
LV_INV5_PWM6: SOM1.JX2-53 U13C.4 | length 5379.2
  Top Side w10: v1(8543.3,3012.75) 8544.43,3011.62 8544.43,2931.13 SOM1.JX2-53@8545.55,2930
  Bottom Side w10: U13C.4@3987.72,1920 3991.57,1923.86 3991.57,1945.87 4235.8,2190.1 8189.02,2190.1 8543.3,2544.38 v1(8543.3,3012.75)
LV_INV6_PWM1: SOM1.JX2-62 U13B.3 | length 4132.8
  Top Side w10: v1(8655,2475) 8655,2480.41 8671.53,2496.95 SOM1.JX2-62@8671.53,2756.77
  Bottom Side w10: U13B.3@5071.2,1927.6 5075.06,1931.46 5075.06,1953.47 5206.69,2085.1 8300.46,2085.1 8655,2439.64 v1(8655,2475)
LV_INV6_PWM2: SOM1.JX2-64 U13B.2 | length 4171.4
  Top Side w10: v1(8625,2445) 8660.36,2445 8703.03,2487.67 SOM1.JX2-64@8703.03,2756.77
  Bottom Side w10: U13B.2@5045.61,1927.6 5049.47,1931.46 5049.47,1953.47 5196.1,2100.1 8280.1,2100.1 v1(8625,2445)
LV_INV6_PWM3: SOM1.JX2-67 U13B.4 | length 4497.5
  Top Side w10: v1(8763.77,3012.75) 8764.9,3011.62 8764.9,2931.13 SOM1.JX2-67@8766.02,2930
  Bottom Side w10: U13B.4@5096.8,1927.6 5100.65,1931.46 5100.65,1953.47 5217.28,2070.1 8306.67,2070.1 8763.77,2527.2 v1(8763.77,3012.75)
LV_INV6_PWM4: SOM1.JX2-69 U13B.5 | length 4499.2
  Top Side w10: SOM1.JX2-69@8797.52,2930 8798.65,2931.13 8798.65,3011.62 v1(8799.77,3012.75)
  Bottom Side w10: U13B.5@5122.39,1927.6 5126.24,1931.46 5126.24,1953.47 5227.87,2055.1 8312.88,2055.1 8799.77,2541.99 v1(8799.77,3012.75)
LV_INV6_PWM5: SOM1.JX2-48 U13C.3 | length 5014.5
  Top Side w10: v1(8435,2490) 8435,2495.41 8451.06,2511.47 SOM1.JX2-48@8451.06,2756.77
  Bottom Side w10: U13C.3@3962.13,1920 3965.98,1923.86 3965.98,1945.87 4225.21,2205.1 8182.81,2205.1 8435,2457.29 v1(8435,2490)
LV_INV6_PWM6: SOM1.JX2-50 U13C.2 | length 5075.6
  Top Side w10: v1(8408.22,2465.87) 8409.09,2465 8445.36,2465 8482.56,2502.2 SOM1.JX2-50@8482.56,2756.77
  Bottom Side w10: U13C.2@3936.54,1920 3936.54,1976.54 4180.1,2220.1 8162.46,2220.1 v1(8408.22,2465.87)
LV_INV7_PWM1: SOM1.JX2-83 U13A.5 | length 3558.1
  Top Side w10: SOM1.JX2-83@9017.99,2930 9019.12,2931.13 9019.12,3011.62 v1(9020.24,3012.75)
  Bottom Side w10: U13A.5@6320.61,1865 6324.46,1868.86 6324.46,1890.87 6368.69,1935.1 8431.68,1935.1 9020.24,2523.67 v1(9020.24,3012.75)
LV_INV7_PWM2: SOM1.JX2-81 U13A.4 | length 3556.4
  Top Side w10: v1(8984.24,3012.75) 8985.37,3011.62 8985.37,2931.13 SOM1.JX2-81@8986.5,2930
  Bottom Side w10: U13A.4@6295.02,1865 6298.87,1868.86 6298.87,1890.87 6358.1,1950.1 8425.46,1950.1 8984.24,2508.88 v1(8984.24,3012.75)
LV_INV7_PWM3: SOM1.JX2-74 U13A.3 | length 3178.6
  Top Side w10: v1(8845,2425) 8845,2430.41 8860.51,2445.92 SOM1.JX2-74@8860.51,2756.77
  Bottom Side w10: U13A.3@6269.42,1865 6273.28,1868.86 6273.28,1890.87 6347.51,1965.1 8419.25,1965.1 8845,2390.85 v1(8845,2425)
LV_INV7_PWM4: SOM1.JX2-76 U13A.2 | length 3218.1
  Top Side w10: v1(8818.94,2400.15) 8819.09,2400 8855.36,2400 8892.01,2436.65 SOM1.JX2-76@8892.01,2756.77
  Bottom Side w10: U13A.2@6243.83,1865 6247.69,1868.86 6247.69,1890.87 6336.92,1980.1 8398.9,1980.1 v1(8818.94,2400.15)
LV_INV7_PWM5: SOM1.JX2-68 U13B.7 | length 4139.8
  Top Side w10: v1(8750,2445) 8750,2450.41 8766.02,2466.43 SOM1.JX2-68@8766.02,2756.77
  Bottom Side w10: U13B.7@5173.57,1927.6 5177.42,1931.46 5177.42,1953.47 5249.05,2025.1 8360.46,2025.1 8750,2414.64 v1(8750,2445)
LV_INV7_PWM6: SOM1.JX2-70 U13B.6 | length 4181.4
  Top Side w10: v1(8720,2420) 8760.36,2420 8797.52,2457.16 SOM1.JX2-70@8797.52,2756.77
  Bottom Side w10: U13B.6@5147.98,1927.6 5151.83,1931.46 5151.83,1953.47 5238.46,2040.1 8340.1,2040.1 v1(8720,2420)
LV_INV8_PWM1: SOM1.JX2-88 U13A.8 | length 3282.9
  Top Side w10: v1(6420,1805.26) v1(6520,1805.26) ; v1(9060,2685) 9080.98,2705.98 SOM1.JX2-88@9080.98,2756.77
  Bottom Side w10: U13A.8@6397.38,1865 6401.24,1861.14 6401.24,1828.92 6420,1810.16 v1(6420,1805.26) ; v1@6520,1806.56 6521.3,1805.26 8399.42,1805.26 9060,2465.84 v1(9060,2685)
LV_INV8_PWM2: SOM1.JX2-87 U13A.9 | length 3629.5
  Top Side w10: v1(9078.73,3015) 9079.86,3013.87 9079.86,2931.13 SOM1.JX2-87@9080.98,2930
  Bottom Side w10: U13A.9@6422.97,1865 6426.83,1861.14 6426.83,1839.13 6485.69,1780.26 8395.63,1780.26 9085,2469.63 9085,3003.32 9078.73,3009.59 v1(9078.73,3015)
LV_INV8_PWM3: SOM1.JX2-82 U13A.7 | length 3198
  Top Side w10: v1(8970,2430) 8970,2435.41 8986.49,2451.91 SOM1.JX2-82@8986.49,2756.77
  Bottom Side w10: U13A.7@6371.79,1865 6375.65,1868.86 6375.65,1890.87 6389.87,1905.1 8478.04,1905.1 8970,2397.06 v1(8970,2430)
LV_INV8_PWM4: SOM1.JX2-84 U13A.6 | length 3238.7
  Top Side w10: v1(8943.34,2405.75) 8944.09,2405 8980.36,2405 9017.99,2442.63 SOM1.JX2-84@9017.99,2756.77
  Bottom Side w10: U13A.6@6346.2,1865 6350.05,1868.86 6350.05,1890.87 6379.28,1920.1 8457.69,1920.1 v1(8943.34,2405.75)
LV_INV8_PWM5: SOM1.JX2-75 U13B.9 | length 4510.8
  Top Side w10: SOM1.JX2-75@8892.01,2930 8893.13,2931.13 8893.13,3013.87 v1(8894.26,3015)
  Bottom Side w10: U13B.9@5224.75,1927.6 5228.61,1931.46 5228.61,1953.47 5270.24,1995.1 8372.88,1995.1 8894.26,2516.48 v1(8894.26,3015)
LV_INV8_PWM6: SOM1.JX2-73 U13B.8 | length 4509
  Top Side w10: v1(8858.26,3015) 8859.39,3013.87 8859.39,2931.13 SOM1.JX2-73@8860.51,2930
  Bottom Side w10: U13B.8@5199.16,1927.6 5203.02,1931.46 5203.02,1953.47 5259.64,2010.1 8366.67,2010.1 8858.26,2501.69 v1(8858.26,3015)
LV_R\S\T\1: SOM1.JX1-19 U16I.2 | length 9617.1
  Top Side w10: U16I.2@334.41,1157.87 334.41,1400.19 599.22,1665 811.81,1665 2740.63,3593.81 4972.3,3593.81 6368.37,4989.89 7843.31,4989.89 8010.12,4823.08 SOM1.JX1-19@8010.12,4680
LV_R\S\T\2: SOM1.JX1-24 U16I.3 | length 10013.1
  Top Side w10: U16I.3@308.82,1157.87 308.82,1395.81 593.01,1680 805.6,1680 2734.41,3608.81 4966.09,3608.81 6362.16,5004.89 7849.53,5004.89 8036.12,4818.29 v1(8036.12,4741) ; v1(8073.11,4432.37) SOM1.JX1-24@8073.11,4506.77
  Bottom Side w10: v1(8036.12,4741) 8073.11,4704.01 v1(8073.11,4432.37)
LV_R\S\T\3: SOM1.JX3-99 U16J.2 | length 7095.9
  Top Side w10: U16J.2@1959.41,1137.87 1959.41,1226.05 2198.23,1464.87 2198.23,2819.65 2709.95,3331.37 2841.16,3331.37 2909.79,3400 5199.29,3400 5232.29,3433 5581.79,3433 6638.33,4489.54 SOM1.JX3-99@6821.69,4489.54
LV_R\S\T\4: SOM1.JX1-10 U16J.3 | length 8688.8
  Top Side w10: U16J.3@1933.82,1137.87 1933.82,1221.68 2183.23,1471.09 2183.23,2825.86 2703.74,3346.37 2834.95,3346.37 2903.58,3415 4984.41,3415 6424.29,4854.89 7675.11,4854.89 v1(7750,4780) ; v1(7848.13,4435) 7850.39,4437.25 7850.39,4504.52 SOM1.JX1-10@7852.64,4506.77
  Bottom Side w10: v1(7750,4780) 7848.13,4681.87 v1(7848.13,4435)
LV_R\S\T\5: SOM1.JX3-94 U16K.2 | length 5102.6
  Top Side w10: U16K.2@3496.48,1137.87 3496.48,1569.91 5269.57,3343 5651.44,3343 6640.5,4332.06 v1(6645,4332.06) ; v1(6930,4397.3) 6931.13,4396.17 6993.8,4396.17 SOM1.JX3-94@6994.92,4395.05
  Bottom Side w10: v1(6645,4332.06) 6710.24,4397.3 v1(6930,4397.3)
LV_R\S\T\6: SOM1.JX3-91 U16K.3 | length 4937.4
  Top Side w10: U16K.3@3470.89,1137.87 3470.89,1565.53 5263.36,3358 5635.58,3358 6641.14,4363.56 SOM1.JX3-91@6821.69,4363.56
LV_R\S\T\7: SOM1.JX3-82 U16L.2 | length 4010.7
  Top Side w10: U16L.2@5136.09,1137.87 5136.09,2620.77 6566,4050.69 6566,4068.59 6640.5,4143.09 v1(6645,4143.09) ; v1(6930,4208.32) 6931.13,4207.2 6993.8,4207.2 SOM1.JX3-82@6994.92,4206.07
  Bottom Side w10: v1(6645,4143.09) 6710.24,4208.32 v1(6930,4208.32)
LV_R\S\T\8: SOM1.JX3-79 U16L.3 | length 3851.3
  Top Side w10: U16L.3@5110.5,1137.87 5110.5,2590.5 5121.09,2601.09 5121.09,2626.99 6551,4056.9 6551,4084.44 6641.14,4174.58 SOM1.JX3-79@6821.69,4174.58
LV_RDY1: SOM1.JX1-9 U16E.2 | length 8449.5
  Top Side w10: U16E.2@1136.18,1545.77 1136.18,1842.45 2685.1,3391.37 2816.31,3391.37 2884.94,3460 4965.77,3460 6405.65,4899.89 7767.29,4899.89 7852.64,4814.54 SOM1.JX1-9@7852.64,4680
LV_RDY2: SOM1.JX1-11 U16E.3 | length 8521.9
  Top Side w10: U16E.3@1110.59,1545.77 1110.59,1857.71 2771.69,3518.81 5003.36,3518.81 6399.44,4914.89 7773.51,4914.89 7884.13,4804.26 SOM1.JX1-11@7884.13,4680
LV_RDY3: SOM1.JX3-93 U16F.2 | length 6454.1
  Top Side w10: U16F.2@2304.41,1547.87 2304.41,2840.97 2480,3016.56 4166.56,3016.56 4490,3340 5224.14,3340 5257.14,3373 5629.37,3373 6636.92,4380.56 6680.22,4380.56 6694.72,4395.05 SOM1.JX3-93@6821.69,4395.05
LV_RDY4: SOM1.JX3-98 U16F.3 | length 6676.4
  Top Side w10: U16F.3@2278.82,1547.87 2278.82,2836.6 2480,3037.78 4162.78,3037.78 4480,3355 5217.93,3355 5250.93,3388 5623.16,3388 6630.71,4395.56 6674.01,4395.56 v1(6705,4426.54) ; v1(6930,4455.79) 6931.13,4456.91 6993.8,4456.91 SOM1.JX3-98@6994.92,4458.04
  Bottom Side w10: v1(6705,4426.54) 6734.24,4455.79 v1(6930,4455.79)
LV_RDY5: SOM1.JX3-81 U16G.2 | length 3993.1
  Top Side w10: U16G.2@4309.94,1492.87 4309.94,2075.71 5487.23,3253 5725.89,3253 6536,4063.11 6536,4090.65 6635.93,4190.58 6706.06,4190.58 6721.56,4206.07 SOM1.JX3-81@6821.69,4206.07
LV_RDY6: SOM1.JX3-86 U16G.3 | length 4199.4
  Top Side w10: U16G.3@4284.35,1492.87 4284.35,2071.34 5481.02,3268 5692.13,3268 6629.71,4205.58 6673.01,4205.58 v1(6705,4237.57) ; v1(6930,4266.81) 6931.13,4267.94 6993.8,4267.94 SOM1.JX3-86@6994.92,4269.06
  Bottom Side w10: v1(6705,4237.57) 6734.24,4266.81 v1(6930,4266.81)
LV_RDY7: SOM1.JX3-62 U16H.2 | length 3296.3
  Top Side w10: U16H.2@5706.94,1537.43 5706.94,1679.16 6230.15,2202.37 6230.15,3523.74 v1(6755,4048.59) ; v1(6908.31,4005) 6933.31,3980 6933.31,3901.69 6943.89,3891.11 SOM1.JX3-62@6994.92,3891.11
  Bottom Side w10: v1(6755,4048.59) 6864.71,4048.59 v1(6908.31,4005)
LV_RDY8: SOM1.JX3-74 U16H.3 | length 3238.1
  Top Side w10: U16H.3@5681.35,1537.43 5681.35,1674.79 6192.9,2186.33 6192.9,3536.49 v1(6705,4048.59) ; v1(6930,4077.84) 6931.13,4078.96 6993.8,4078.96 SOM1.JX3-74@6994.92,4080.09
  Bottom Side w10: v1(6705,4048.59) 6734.24,4077.84 v1(6930,4077.84)
LV_VCCIO_EN: SOM1.JX2-10 U34.3 | length 2281.8
  Top Side w10: SOM1.JX2-10@7852.64,2756.77 v1(7852.64,2831.54)
  Ground Layer w10: v1(9220,3060) v1(9220,3425)
  Bottom Side w10: v1(7852.64,2831.54) 7850,2834.17 7850,3025.36 7884.64,3060 v1(9220,3060) ; v1(9220,3425) 9308.78,3513.78 9308.78,3638.07 9311.65,3640.94 U34.3@9320.51,3640.94